# KiCad board rkh.kicad_pcb
date: 2022-12-05
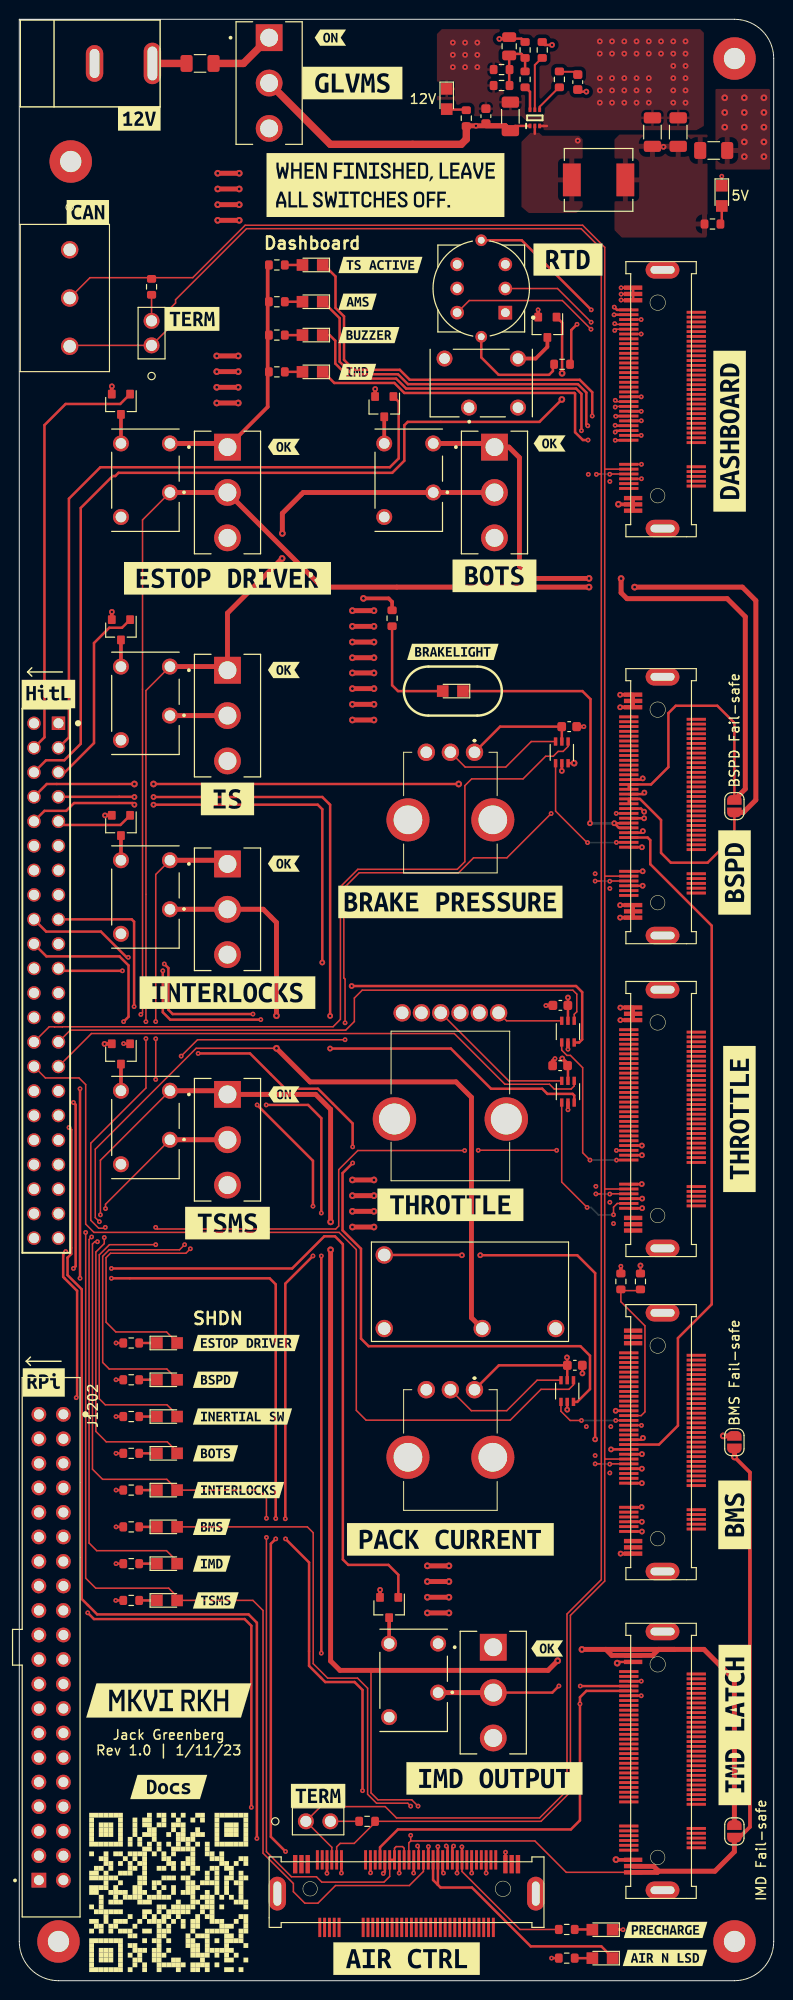
[diagram p0: board, top side]
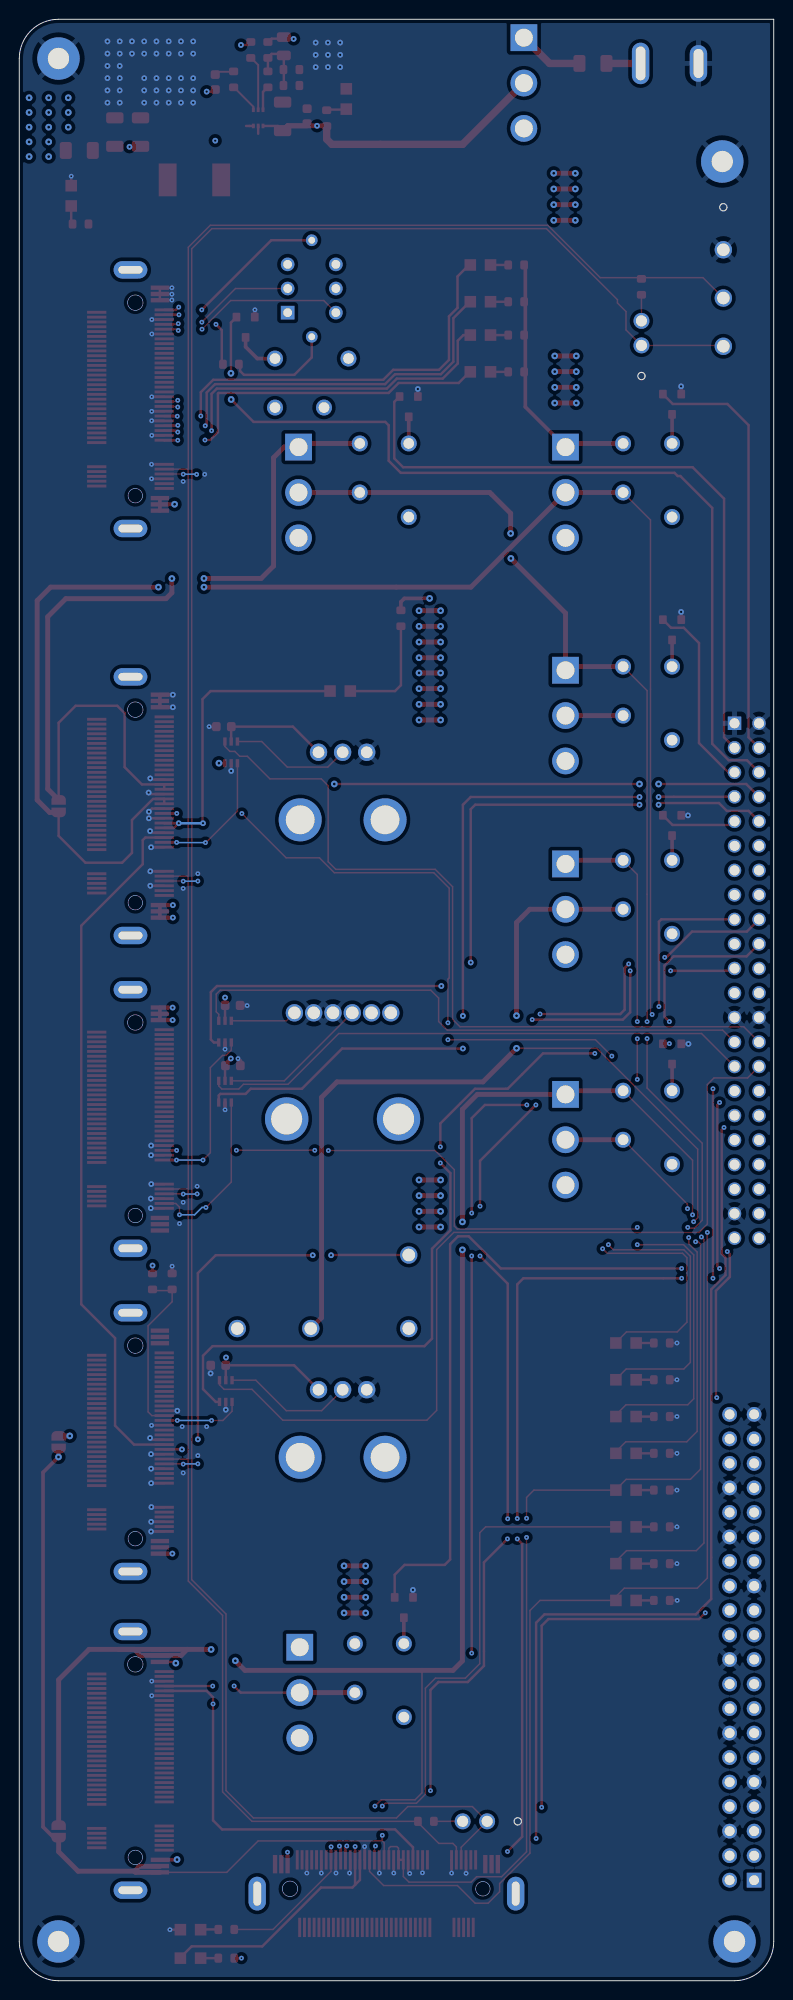
[diagram p1: board, bottom side, seen from below]

Outline 78.23 x 203.2 mm; copper layers: Top, In1.Cu (plane), In2.Cu, Bottom (plane). Coordinates in mm from the lower left corner of the outline.
Outline path: 0,203.2 0,4.06 arc(1.19,1.19) 4.06,0 74.17,0 arc(77.04,1.19) 78.23,4.06 78.23,199.14 arc(77.04,202.01) 74.17,203.2 0,203.2
Stack: Top 0.035mm / dielectric 0.48mm FR4 er 4.5 / In1.Cu 0.035mm / dielectric 0.48mm FR4 er 4.5 / In2.Cu 0.035mm / dielectric 0.48mm FR4 er 4.5 / Bottom 0.035mm

## Placement (name value [footprint] x y rotation side)
C601  1uF  [C_0603]  57.02 129.92 180 top
C701  1uF  [C_0603]  56.08 94.8 180 top
C702  1uF  [C_0603]  56.11 101.04 180 top
C1001  0u1F  [C_0603]  48.39 193.17 90 top
C1002  22uF  [C_1206_3216Metric]  50.93 193.14 90 top
C1003  1uF  [C_0603]  57.91 196.7 270 top
C1004  15pF  [C_0805_2012Metric]  50.8 200.41 90 top
C1005  22uF  [C_1206_3216Metric]  68.33 191.52 90 top
C1006  22uF  [C_1206_3216Metric]  65.66 191.52 90 top
C1101  1uF  [C_0603]  57.61 63.75 180 top
D401  LED_BLUE  [CHIPLED_0805]  15.32 66.07 0 top
D402  LED_BLUE  [CHIPLED_0805]  15.32 62.26 0 top
D403  LED_BLUE  [CHIPLED_0805]  15.32 58.45 0 top
D404  LED_BLUE  [CHIPLED_0805]  15.32 54.64 0 top
D503  LED_BLUE  [CHIPLED_0805]  15.32 50.83 0 top
D504  LED_BLUE  [CHIPLED_0805]  15.32 47.02 0 top
D506  LED_BLUE  [CHIPLED_0805]  15.32 43.21 0 top
D507  LED_BLUE  [CHIPLED_0805]  15.32 39.4 0 top
D601  LED_ORANGE  [CHIPLED_0805]  44.96 133.6 180 top
D801  LED_WHITE  [CHIPLED_0805]  30.42 173.94 180 top
D802  LED_WHITE  [CHIPLED_0805]  30.42 166.67 180 top
D804  LED_WHITE  [CHIPLED_0805]  30.42 177.75 180 top
D805  LED_WHITE  [CHIPLED_0805]  30.42 170.48 180 top
D901  LED_WHITE  [CHIPLED_0805]  60.48 2.34 180 top
D902  LED_WHITE  [CHIPLED_0805]  60.48 5.28 180 top
D1001  LED_BLUE  [CHIPLED_0805]  44.32 194.94 270 top
D1002  LED_BLUE  [CHIPLED_0805]  72.85 184.91 270 top
F201  F_5A_32V  [Fuse_1206]  18.75 198.63 0 top
F1001  F_5A_32V  [Fuse_1206]  72.01 189.61 0 top
H101  MountingHole_Pad  [MountingHole_2.2mm_M2_Pad]  5.33 188.47 0 top
H102  MountingHole_Pad  [MountingHole_2.2mm_M2_Pad]  74.17 199.14 0 top
H104  MountingHole_Pad  [MountingHole_2.2mm_M2_Pad]  74.17 4.06 0 top
H105  MountingHole_Pad  [MountingHole_2.2mm_M2_Pad]  4.06 4.06 0 top
J101  Barrel_Jack  [barrel_jack_PJ-037A]  13.8 198.63 0 top
J201  Screw_Terminal_01x03  [ScrewPin_1x3]  5.22 179.32 270 top
J202  CONN_01x02  [pinheader_1x2]  29.72 16.51 0 top
J203  CONN_01x02  [pinheader_1x2]  13.72 169.42 90 top
J301  SSW-122-01-G-D  [SAMTEC_SSW-122-01-G-D]  4.06 130.27 90 top
J601  -  [Automotive_M.2]  66.2 121.68 90 top
J701  -  [Automotive_M.2]  66.2 89.27 90 top
J801  -  [Automotive_M.2]  66.2 163.85 90 top
J1101  -  [Automotive_M.2]  40.16 9.52 0 top
J1201  -  [Automotive_M.2]  66.2 55.79 90 top
J1202  RPi_Header  [SULLINS_SFH11-PBPC-D20-ST-BK]  3.3 34.54 270 top
J1301  -  [Automotive_M.2]  66.2 22.77 90 top
JP401  SolderJumper_2_Open  [SolderJumper-2_P1.3mm_Open_RoundedPad1.0x1.5mm]  74.15 121.68 90 top
JP501  SolderJumper_2_Open  [SolderJumper-2_P1.3mm_Open_RoundedPad1.0x1.5mm]  74.15 55.79 270 top
JP502  SolderJumper_2_Open  [SolderJumper-2_P1.3mm_Open_RoundedPad1.0x1.5mm]  74.15 15.47 90 top
K202  G6L-1X_DC5  [RELAY_G6L-1P_DC5]  13.08 88.39 90 top
K401  G6L-1X_DC5  [RELAY_G6L-1P_DC5]  13.08 155.45 90 top
K402  G6L-1X_DC5  [RELAY_G6L-1P_DC5]  40.39 155.45 90 top
K403  G6L-1X_DC5  [RELAY_G6L-1P_DC5]  13.08 132.33 90 top
K501  G6L-1X_DC5  [RELAY_G6L-1P_DC5]  13.08 112.27 90 top
K801  G6L-1X_DC5  [RELAY_G6L-1P_DC5]  47.9 165.52 0 top
K1101  G5Q-1A4-DC5  [Relay_SPST_OMRON-G5Q-1A4_OEM]  37.85 67.56 0 top
K1201  G6L-1X_DC5  [RELAY_G6L-1P_DC5]  40.89 31.12 90 top
kibuzzard-63A8E52C  G***  [kibuzzard-63A8E52C]  17.93 172.16 0 top
kibuzzard-63A8E52C#2  G***  [kibuzzard-63A8E52C]  30.99 19.15 0 top
kibuzzard-63A8E507  G***  [kibuzzard-63A8E507]  12.45 192.91 0 top
kibuzzard-63A8E517  G***  [kibuzzard-63A8E517]  7.11 183.21 0 top
kibuzzard-63A8FA7E  G***  [kibuzzard-63A8FA7E]  21.59 145.29 0 top
kibuzzard-63A8FCD9  G***  [kibuzzard-63A8FCD9]  44.96 137.67 0 top
kibuzzard-63A8FFD0  G***  [kibuzzard-63A8FFD0]  44.7 111.76 0 top
kibuzzard-63A76ADE  G***  [kibuzzard-63A76ADE]  74.68 89.27 90 top
kibuzzard-63A76ADE#2  G***  [kibuzzard-63A76ADE]  44.7 80.38 0 top
kibuzzard-63A76B48  G***  [kibuzzard-63A76B48]  44.7 45.72 0 top
kibuzzard-63A76DD2  G***  [kibuzzard-63A76DD2]  20.36 62.26 0 top
kibuzzard-63A76DDE  G***  [kibuzzard-63A76DDE]  23.14 58.45 0 top
kibuzzard-63A76DE3  G***  [kibuzzard-63A76DE3]  20.35 54.64 0 top
kibuzzard-63A76DF6  G***  [kibuzzard-63A76DF6]  22.73 50.83 0 top
kibuzzard-63A76E2E  G***  [kibuzzard-63A76E2E]  19.96 47.02 0 top
kibuzzard-63A76E4B  G***  [kibuzzard-63A76E4B]  20.38 39.4 0 top
kibuzzard-63A76E44  G***  [kibuzzard-63A76E44]  19.96 43.21 0 top
kibuzzard-63A760DD  G***  [kibuzzard-63A760DD]  34.54 196.6 0 top
kibuzzard-63A765AA  G***  [kibuzzard-63A765AA]  23.54 66.07 0 top
kibuzzard-63A765EA  G***  [kibuzzard-63A765EA]  36.26 170.48 0 top
kibuzzard-63A766BF  G***  [kibuzzard-63A766BF]  54.99 159.26 0 top
kibuzzard-63A766BF#2  G***  [kibuzzard-63A766BF]  27.43 115.72 0 top
kibuzzard-63A766BF#3  G***  [kibuzzard-63A766BF]  54.74 34.42 0 top
kibuzzard-63A766BF#4  G***  [kibuzzard-63A766BF]  27.43 158.9 0 top
kibuzzard-63A766BF#5  G***  [kibuzzard-63A766BF]  27.43 135.79 0 top
kibuzzard-63A770B9  G***  [kibuzzard-63A770B9]  37.45 177.75 0 top
kibuzzard-63A770D3  G***  [kibuzzard-63A770D3]  35.08 173.94 0 top
kibuzzard-63A772B0  G***  [kibuzzard-63A772B0]  21.59 122.43 0 top
kibuzzard-63A773EA  G***  [kibuzzard-63A773EA]  73.66 160.53 90 top
kibuzzard-63A774A3  G***  [kibuzzard-63A774A3]  40.16 2.29 0 top
kibuzzard-63A775AA  G***  [kibuzzard-63A775AA]  67.02 5.26 0 top
kibuzzard-63A775CB  G***  [kibuzzard-63A775CB]  66.95 2.36 0 top
kibuzzard-63A781BB  G***  [kibuzzard-63A781BB]  74.17 48.26 90 top
kibuzzard-63A7606C  G***  [kibuzzard-63A7606C]  32.26 201.3 0 top
kibuzzard-63A7606C#2  G***  [kibuzzard-63A7606C]  27.43 91.82 0 top
kibuzzard-63A7727D  G***  [kibuzzard-63A7727D]  21.59 102.36 0 top
kibuzzard-63A7729E  G***  [kibuzzard-63A7729E]  49.28 145.54 0 top
kibuzzard-63A76058  G***  [kibuzzard-63A76058]  21.59 78.49 0 top
kibuzzard-63A76624  G***  [kibuzzard-63A76624]  35.05 166.67 0 top
kibuzzard-63A77227  G***  [kibuzzard-63A77227]  49.28 20.96 0 top
kibuzzard-63A77408  G***  [kibuzzard-63A77408]  74.17 114.81 90 top
kibuzzard-63A77485  G***  [kibuzzard-63A77485]  74.19 26.49 90 top
kibuzzard-63B35C4A  G***  [kibuzzard-63B35C4A]  2.54 61.98 0 top
kibuzzard-63B97C20  G***  [kibuzzard-63B97C20]  56.9 178.31 0 top
kibuzzard-63BD341A  G***  [kibuzzard-63BD341A]  3.02 133.3 0 top
kibuzzard-63BE72D4  G***  [kibuzzard-63BE72D4]  15.49 29.03 0 top
kibuzzard-63BE744E  G***  [kibuzzard-63BE744E]  37.97 186.03 0 top
kibuzzard-63BE7323  G***  [kibuzzard-63BE7323]  15.49 20.07 0 top
L1001  L_2.2uH  [IND_SPM6530T-2R2M]  60.07 186.56 0 top
Q202  SSM3K333R  [SOT-23F]  10.54 96.01 270 top
Q401  SSM3K333R  [SOT-23F]  10.54 163.32 270 top
Q402  SSM3K333R  [SOT-23F]  37.85 163.07 270 top
Q403  SSM3K333R  [SOT-23F]  10.54 139.95 270 top
Q501  SSM3K333R  [SOT-23F]  10.54 119.68 270 top
Q801  SSM3K333R  [SOT-23F]  54.76 171.3 270 top
Q1201  SSM3K333R  [SOT-23F]  38.35 38.66 270 top
QR*****  https://coda.io/d/_dbuFnC2EA_e/Roadkill-Harness_su7vN  [__coda.io_d__dbuFnC2EA_e_Roadkill-Harness_su7vN]  15.49 9.14 0 top
R201  120R  [R_0603]  36.07 16.51 0 top
R202  120R  [R_0603]  13.72 175.48 90 top
R401  1KR  [R_0603]  11.61 66.07 180 top
R402  1KR  [R_0603]  11.61 62.26 180 top
R403  1KR  [R_0603]  11.61 58.45 180 top
R404  1KR  [R_0603]  11.61 54.64 180 top
R503  1KR  [R_0603]  11.61 50.83 180 top
R504  1KR  [R_0603]  11.61 47.02 180 top
R506  1KR  [R_0603]  11.61 43.21 180 top
R507  1KR  [R_0603]  11.61 39.4 180 top
R601  1KR  [R_0603]  38.66 141.15 270 top
R801  1KR  [R_0603]  26.71 173.94 0 top
R802  1KR  [R_0603]  26.71 166.67 0 top
R803  1KR  [R_0603]  26.71 177.75 0 top
R804  1KR  [R_0603]  26.71 170.48 0 top
R805  100R  [R_0603]  56.29 167.46 0 top
R902  10KR  [R_0603]  56.77 2.34 0 top
R903  1KR  [R_0603]  56.77 5.31 0 top
R1001  100KR  [R_0603]  54.23 200.03 270 top
R1002  10R  [R_0603]  56.01 196.98 90 top
R1003  75KR  [R_0603]  52.45 196.98 90 top
R1004  10KR  [R_0603]  50.01 197.99 180 top
R1005  33K2R  [R_0603]  50.01 196.34 180 top
R1006  40K2R  [R_0603]  52.45 200.03 90 top
R1007  1KR  [R_0603]  46.35 192.96 90 top
R1008  1KR  [R_0603]  71.88 181.99 0 top
R1101  10KR  [R_0603]  64.41 72.44 270 top
R1102  10KR  [R_0603]  62.38 72.44 90 top
REF**  -  [RKH TITLE]  299.01 -14.17 0 top
RV601  PTV09A-4020F-B103  [PTV09A4020FB103]  44.7 121.67 180 top
RV701  PTV112-4420A-A503-ND  [PTV1124420AA503]  47.7 100.27 180 top
RV1201  PTV09A-4020F-B103  [PTV09A4020FB103]  44.7 55.63 180 top
SW201  100SP1T1B4M2QE  [SW_100SP1T1B4M2QE]  25.91 196.6 0 top
SW202  100SP1T1B4M2QE  [SW_100SP1T1B4M2QE]  21.59 87.12 0 top
SW405  100SP1T1B4M2QE  [SW_100SP1T1B4M2QE]  21.59 154.18 0 top
SW406  100SP1T1B4M2QE  [SW_100SP1T1B4M2QE]  49.28 154.18 0 top
SW407  100SP1T1B4M2QE  [SW_100SP1T1B4M2QE]  21.59 131.06 0 top
SW501  100SP1T1B4M2QE  [SW_100SP1T1B4M2QE]  21.59 111 0 top
SW802  LP4OA1PBBTG  [SW_LP4OA1PBBTG]  47.9 175.31 180 top
SW1201  100SP1T1B4M2QE  [SW_100SP1T1B4M2QE]  49.15 29.85 0 top
U601  TMUX1247  [TMUX1247DCKR]  56.26 127.25 270 top
U701  TMUX1247  [TMUX1247DCKR]  56.9 92.1 270 top
U702  TMUX1247  [TMUX1247DCKR]  56.9 98.32 270 top
U1001  MP1477  [SOTFL50P160X60-6N]  53.46 192.99 90 top
U1101  TMUX1247  [TMUX1247DCKR]  56.82 61.09 270 top

## Library data of the parts
C601 C701 C702 C1003 C1101 = -: DKPN: 1276-1184-2-ND; MFN: Samsung Electro-Mechanics; MPN: CL10B105KA8NNNC; NewDesigns: YES; Package: 0603; Stocked: Reel; Style: SMD
C1001 = -: DKPN: 1276-1935-2-ND; MFN: Samsung Electro-Mechanics; MPN: CL10B104KB8NNWC; NewDesigns: YES; Package: 0603; Stocked: Reel; Style: SMD
C1002 C1005 C1006 = -: DKPN: 1276-3047-6-ND; MFN: Samsung Electro-Mechanics; MPN: CL31A226KAHNNNE; NewDesigns: YES; Package: 1206; Stocked: Digi-Reel; Style: SMD
C1004 = -: DKPN: 1292-1487-6-ND; MFN: Walsin Technology; MPN: 0603N150J500CT; NewDesigns: YES; Package: 0603; Stocked: Digi-Reel; Style: SMD
D401-D404 D503 D504 D506 D507 D1001 D1002 = -: DKPN: 160-1645-6-ND; MFN: Lite-On; MPN: LTST-C171TBKT; NewDesigns: Yes; Package: 0805; Stocked: Digi-Reel; Style: SMD; Field11: https://dammedia.osram.info/media/resource/hires/osram-dam-5178064/LO%20R976_EN.pdf
D601 = -: DKPN: 160-1413-6-ND; MFN: Lite-On; MPN: LTST-C170KFKT; NewDesigns: Yes; Package: 0805; Stocked: Digi-Reel; Style: SMD; Field11: https://dammedia.osram.info/media/resource/hires/osram-dam-5178064/LO%20R976_EN.pdf
D801 D802 D804 D805 D901 D902 = -: DKPN: 3147-B1701TW--20P000314U1930DKR-ND; MFN: Harvatek; MPN: B1701TW--20P000314U1930; NewDesigns: Yes; Package: 0805; Stocked: Digi-Reel; Style: SMD; Field11: https://dammedia.osram.info/media/resource/hires/osram-dam-5178064/LO%20R976_EN.pdf
F201 F1001 = -: DKPN: 2315-FHC32502ADTPDKR-ND; MFN: Kamaya Inc.; MPN: FHC32502ADTP; NewDesigns: YES; Package: 1206; Stocked: Tape; Style: SMD
J101 = -: DKPN: CP-037A-ND; MFN: CUI Devices; MPN: PJ-037A; NewDesigns: YES; Package: Custom; Stocked: Bag; Style: THT
J201 = -: DKPN: 277-1578-ND; MFN: Pheonix Contact; MPN: 1935174; NewDesigns: 1935174; Package: Custom; Stocked: Bulk; Style: THT
J202 J203 = -: DKPN: 2057-PH1-02-UA-ND; MFN: Adam Tech; MPN: PH1-02-UA; MatesWith: S9337-ND; NewDesigns: YES; Package: 2.54mm pin header; Stocked: Bulk; Style: THT; Field12: *; Field13: Copyright 2021 Accelerated Designs. All rights reserved.; Field14: *
J301 = -: DKPN: SAM1208-22-ND; MFN: Samtec; NewDesigns: YES; Package: Custom; Stocked: Bulk; Style: THT
J601 J701 J801 J1101 J1201 J1301 = -: DKPN: MOUSER:945-CNU027S0672001VE; MFN: Yamaichi Electronics; MPN: CNU027S-067-2001-VE; NewDesigns: YES; Package: Custom; Stocked: Tape; Style: SMD
J1202 = -: DKPN: S9200-ND; MFN: Sullins; MPN: SFH11-PBPC-D20-ST-BK; NewDesigns: YES; Package: Custom; Stocked: Bulk; Style: THT
K202 K401-K403 K501 K801 K1201 = -: DKPN: Z1228-ND; MFN: Omron Electronics; MPN: G6L-1P DC5; NewDesigns: YES; Package: Custom; Stocked: Tube; Style: THT
K1101 = -: DKPN: Z3632-ND; MFN: Omron; MPN: G5Q-1A4 DC5; NewDesigns: YES; Package: G5Q (Custom); Stocked: Tray; Style: THT
L1001 = -: DKPN: 445-4118-6-ND; MFN: TDK Corporation; MPN: SPM6530T-2R2M; NewDesigns: YES; Package: Custom; Stocked: Digi-Reel; Style: SMD
Q202 Q401-Q403 Q501 Q801 Q1201 = -: DKPN: SSM3K333RLFDKR-ND; MFN: Toshiba; MPN: SSM3K333R,LF; NewDesigns: YES; Package: SOT-23; Stocked: Digi-Reel; Style: SMD
R201 R202 = -: DKPN: 13-RC0603FR-13120RLDKR-ND; MFN: Yageo; MPN: RC0603FR-13120RL; NewDesigns: YES; Package: 0603; Stocked: Digi-Reel; Style: SMD
R401-R404 R503 R504 R506 R507 R601 R801-R804 R903 R1007 R1008 = -: DKPN: RMCF0603FT1K00TR-ND; MFN: Stackpole Electronics; MPN: RMCF0603FT1K00; NewDesigns: YES; Package: 0603; Stocked: Reel; Style: SMD
R805 = -: DKPN: RMCF0603FT100RTR-ND; MFN: Stackpole Electronics; MPN: RMCF0603FT100R; NewDesigns: YES; Package: 0603; Stocked: Reel; Style: SMD
R902 R1004 R1101 R1102 = -: DKPN: RMCF0603FT10K0TR-ND; MFN: Stackpole Electronics; MPN: RMCF0603FT10K0; NewDesigns: YES; Package: 0603; Stocked: Reel; Style: SMD
R1001 = -: DKPN: RMCF0603FT100KTR-ND; MFN: Stackpole Electronics; MPN: RMCF0603FT100K; NewDesigns: YES; Package: 0603; Stocked: Reel; Style: SMD
R1002 = -: DKPN: 2019-SG73P1JTTD100JDKR-ND; MFN: KOA Speer Electronics, Inc.; MPN: SG73P1JTTD100J; NewDesigns: YES; Package: 0603; Stocked: Digi-Reel; Style: SMD
R1003 = -: DKPN: RMCF0603FT75K0DKR-ND; MFN: Stackpole Electronics; MPN: RMCF0603FT75K0; NewDesigns: YES; Package: 0603; Stocked: Digi-Reel; Style: SMD
R1005 = -: DKPN: RMCF0603FT33K2DKR-ND; MFN: Stackpole Electronics; MPN: RMCF0603FT33K2; NewDesigns: YES; Package: 0603; Stocked: Digi-Reel; Style: SMD
R1006 = -: DKPN: RMCF0603FT40K2DKR-ND; MFN: Stackpole Electronics; MPN: RMCF0603FT40K2; NewDesigns: YES; Package: 0603; Stocked: Digi-Reel; Style: SMD
RV601 RV1201 = -: DKPN: PTV09A-4020F-B103-ND; MFN: Bourns; NewDesigns: YES; Package: Custom; Stocked: Tray; Style: THT
RV701 = -: MFN: Bourns; NewDesigns: YES; Package: Custom; Stocked: Tray; Style: THT
SW201 SW202 SW405-SW407 SW501 SW1201 = -: DKPN: EG2355-ND; MFN: E-Switch; NewDesigns: YES; Package: Custom; Stocked: Bulk; Style: THT
SW802 = -: DKPN: EG4649-ND; MFN: E-SWITCH; NewDesigns: YES; Package: Custom; Stocked: Bulk; Style: THT
U601 U701 U702 U1101 = -: DKPN: 296-TMUX1247DCKRDKR-ND; MFN: Texas Instruments; MPN: TMUX1247DCKR; NewDesigns: YES; Package: SC70; Stocked: Digi-Reel; Style: THT
U1001 = -: DKPN: 1589-1523-6-ND; MFN: Monolithic Power Systems; MPN: MP1477GTF-Z; Package: SOT 563; Stocked: Digi-Reel; Style: SMD

## Footprints (pads in the part's own frame, mm; a bottom-side part is the same pattern mirrored in y, then rotated)
Automotive_M.2
  rect 0.3x2 smd: 4(-9.25,3) 5(-8.75,3) 6(-8.25,3) 7(-7.75,3) 8(-7.25,3) 9(-6.75,3) 10(-4.25,3) 11(-3.75,3) 12(-3.25,3) 13(-2.75,3) 14(-2.25,3) 15(-1.75,3) 16(-1.25,3) 17(-0.75,3) 18(-0.25,3) 19(0.25,3) 20(0.75,3) 21(1.25,3) 22(1.75,3) 23(2.25,3) 24(2.75,3) 25(3.25,3) 26(3.75,3) 27(4.25,3) 28(4.75,3) 29(5.25,3) 30(5.75,3) 31(6.25,3) 32(6.75,3) 33(7.25,3) 34(7.75,3) 35(8.25,3) 36(8.75,3) 37(9.25,3) 41(-9,-4) 42(-8.5,-4) 43(-8,-4) 44(-7.5,-4) 45(-7,-4) 46(-4.5,-4) 47(-4,-4) 48(-3.5,-4) 49(-3,-4) 50(-2.5,-4) 51(-2,-4) 52(-1.5,-4) 53(-1,-4) 54(-0.5,-4) 55(0,-4) 56(0.5,-4) 57(1,-4) 58(1.5,-4) 59(2,-4) 60(2.5,-4) 61(3,-4) 62(3.5,-4) 63(4,-4) 64(4.5,-4) 65(5,-4) 66(5.5,-4) 67(6,-4) 68(6.5,-4) 69(7,-4) 70(7.5,-4) 71(8,-4) 72(8.5,-4) 73(9,-4)
  rrect 1.8x3.5 hole 0.8x2.5: 75(-13.4,-0.5) 76(13.4,-0.5)
  rect 0.45x1.9 smd: P1(-11.55,2.55) P2(-10.9,2.55) P3(-10.25,2.55) P38(10.25,2.55) P39(10.9,2.55) P40(11.55,2.55)
barrel_jack_PJ-037A
  oval 1.8x4.3 hole 1x3.5: 1(0,0)
  oval 1.8x3.8 hole 1x3: 2(-6,0)
C_0603
  rrect 0.9x0.95 smd: 1(-0.775,0) 2(0.775,0)
C_0805_2012Metric
  rrect 1x1.45 smd: 1(-0.95,0) 2(0.95,0)
C_1206_3216Metric
  rrect 1.15x1.8 smd: 1(-1.475,0) 2(1.475,0)
CHIPLED_0805
  rect 1.2x1.2 smd: 1(-1.05,0) 2(1.05,0)
Fuse_1206
  rrect 1.25x1.75 smd: 1(-1.4,0) 2(1.4,0)
IND_SPM6530T-2R2M
  rect 1.85x3.4 smd: 1(-2.775,0) 2(2.775,0)
MountingHole_2.2mm_M2_Pad
  round 4.4 hole 2.2: 1(0,0)
pinheader_1x2
  round 1.651 hole 1.143: 1(0,0) 2(2.54,0)
PTV09A4020FB103
  round 1.8 hole 1.2: 1(-2.5,-5.6) 2(0,-5.6) 3(2.5,-5.6)
  round 4.46 hole 2.973: 4(-4.4,1.4) 5(4.4,1.4)
PTV1124420AA503
  round 1.8 hole 1.3: 1(8,0) 2(-2,0) 3(0,0) 4(6,0) 5(4,0) 6(2,0)
  round 4.5 hole 3.202: MH1(-2.8,11) MH2(8.8,11)
R_0603
  rrect 0.8x0.95 smd: 1(-0.825,0) 2(0.825,0)
RELAY_G6L-1P_DC5
  round 1.65 hole 1.1: 2(-1.27,-2.54) 4(3.81,-2.54) 5(3.81,2.54) 8(-3.81,2.54)
Relay_SPST_OMRON-G5Q-1A4_OEM
  round 1.8 hole 1.3: 1(0,0) 2(10.16,0) 3(17.78,0) 5(0,7.62)
SAMTEC_SSW-122-01-G-D
  rect 1.39x1.39 hole 1.04: 01(0,0)
  round 1.39 hole 1.04: 02(0,2.54) 03(-2.54,0) 04(-2.54,2.54) 05(-5.08,0) 06(-5.08,2.54) 07(-7.62,0) 08(-7.62,2.54) 09(-10.16,0) 10(-10.16,2.54) 11(-12.7,0) 12(-12.7,2.54) 13(-15.24,0) 14(-15.24,2.54) 15(-17.78,0) 16(-17.78,2.54) 17(-20.32,0) 18(-20.32,2.54) 19(-22.86,0) 20(-22.86,2.54) 21(-25.4,0) 22(-25.4,2.54) 23(-27.94,0) 24(-27.94,2.54) 25(-30.48,0) 26(-30.48,2.54) 27(-33.02,0) 28(-33.02,2.54) 29(-35.56,0) 30(-35.56,2.54) 31(-38.1,0) 32(-38.1,2.54) 33(-40.64,0) 34(-40.64,2.54) 35(-43.18,0) 36(-43.18,2.54) 37(-45.72,0) 38(-45.72,2.54) 39(-48.26,0) 40(-48.26,2.54) 41(-50.8,0) 42(-50.8,2.54) 43(-53.34,0) 44(-53.34,2.54)
ScrewPin_1x3
  round 1.803 hole 1.295: 1(0,0) 2(5,0) 3(10,0)
SolderJumper-2_P1.3mm_Open_RoundedPad1.0x1.5mm
  custom 1x1.5 smd: 1(-0.65,0) 2(0.65,0)
SOT-23F
  rrect 0.9x0.8 smd: 1(-1.05,0.95) 2(-1.05,-0.95) 3(1.05,0)
SOTFL50P160X60-6N
  rect 0.475x0.3 smd: 1(-0.838,0.5) 2(-0.838,0) 3(-0.838,-0.5) 4(0.838,-0.5) 5(0.838,0) 6(0.838,0.5)
SULLINS_SFH11-PBPC-D20-ST-BK
  rect 1.53x1.53 hole 1.02: 1(24.13,-1.27)
  round 1.53 hole 1.02: 2(24.13,1.27) 3(21.59,-1.27) 4(21.59,1.27) 5(19.05,-1.27) 6(19.05,1.27) 7(16.51,-1.27) 8(16.51,1.27) 9(13.97,-1.27) 10(13.97,1.27) 11(11.43,-1.27) 12(11.43,1.27) 13(8.89,-1.27) 14(8.89,1.27) 15(6.35,-1.27) 16(6.35,1.27) 17(3.81,-1.27) 18(3.81,1.27) 19(1.27,-1.27) 20(1.27,1.27) 21(-1.27,-1.27) 22(-1.27,1.27) 23(-3.81,-1.27) 24(-3.81,1.27) 25(-6.35,-1.27) 26(-6.35,1.27) 27(-8.89,-1.27) 28(-8.89,1.27) 29(-11.43,-1.27) 30(-11.43,1.27) 31(-13.97,-1.27) 32(-13.97,1.27) 33(-16.51,-1.27) 34(-16.51,1.27) 35(-19.05,-1.27) 36(-19.05,1.27) 37(-21.59,-1.27) 38(-21.59,1.27) 39(-24.13,-1.27) 40(-24.13,1.27)
SW_100SP1T1B4M2QE
  rect 2.775x2.775 hole 1.85: 1(0,4.7)
  round 2.775 hole 1.85: 2(0,0) 3(0,-4.7)
SW_LP4OA1PBBTG
  rect 1.408x1.408 hole 0.9: 1(-2.5,2.5)
  round 1.408 hole 0.9: 2(-2.5,0) 3(-2.5,-2.5) 4(2.5,2.5) 5(2.5,0) 6(2.5,-2.5)
  round 1.208 hole 0.7: L1(0,5) L2(0,-5)
TMUX1247DCKR
  rect 0.851x0.356 smd: 1(-1.124,0.65) 2(-1.124,0) 3(-1.124,-0.65) 4(1.124,-0.65) 5(1.124,0) 6(1.124,0.65)

## Nets
+5V: C601.2 C701.1 C702.1 C1101.2 F1001.2 J601.P1 J601.P2 J601.P3 J701.P38 J701.P39 J701.P40 J801.P1 J801.P2 J801.P3 J1101.P38 J1201.P1 J1202.2 J1202.4 J1301.P38 K202.8 K401.8 K402.8 K403.8 K501.8 K801.8 K1201.8 R902.1 R1101.1 RV601.1 RV701.1 RV701.4 RV1201.1 U601.2 U701.2 U702.2 U1101.2
+12V: C1001.1 C1002.1 J1301.P3 K401.4 K1101.1 K1201.4 R601.1 R801.1 R802.1 R803.1 R804.1 R1001.1 R1007.1 SW201.2 SW405.1 SW1201.1 U1001.1
GND: C601.1 C701.2 C702.2 C1001.2 C1002.2 C1005.2 C1006.2 C1101.1 D902.1 D1001.1 D1002.1 H101.1 H102.1 H104.1 H105.1 J101.2 J201.1 J301.01 J301.02 J301.25 J301.26 J301.41 J601.6 J601.9 J601.10 J601.13 J601.16 J601.18 J601.21 J601.24 J601.P38 J601.P39 J601.P40 J701.4 J701.6 J701.9 J701.11 J701.13 J801.6 J801.9 J801.11 J801.14 J801.16 J801.19 J801.32 J801.35 J801.P38 J801.P39 J801.P40 J1101.6 J1101.9 J1101.11 J1101.14 J1101.17 J1101.20 J1101.23 J1101.26 J1101.29 J1101.32 J1101.35 J1201.4 J1201.6 J1201.9 J1201.10 J1201.13 J1201.16 J1201.19 J1201.22 J1201.25 J1202.6 J1202.9 J1202.14 J1202.20 J1202.25 J1202.30 J1202.34 J1202.39 J1301.32 J1301.35 Q202.2 Q401.2 Q402.2 Q403.2 Q501.2 Q801.2 Q1201.2 R401.2 R402.2 R403.2 R404.2 R503.2 R504.2 R506.2 R507.2 R1004.2 R1005.2 R1102.2 RV601.3 RV701.3 RV701.6 RV1201.3 U601.5 U701.5 U702.5 U1001.3 U1101.5
/Buck Converter/BUCK_EN: R1001.2 U1001.5
/Hardware in the Loop/HITL_ADC1: J301.35
/Hardware in the Loop/HITL_ADC2: J301.36
/Hardware in the Loop/HITL_ADC3: J301.37
/Hardware in the Loop/HITL_ADC4: J301.38
/Hardware in the Loop/HITL_ADC5: J301.39
/Hardware in the Loop/HITL_ADC6: J301.40
/Hardware in the Loop/HITL_DAC1: J301.27 U702.1
/Hardware in the Loop/HITL_DAC2: J301.28 U601.1
/Hardware in the Loop/HITL_DAC3: J301.29 U701.1
/Hardware in the Loop/HITL_DAC4: J301.30 U1101.1
/Hardware in the Loop/HITL_DAC5: J301.31
/Hardware in the Loop/HITL_DAC6: J301.32
/Hardware in the Loop/HITL_DAC7: J301.33
/Hardware in the Loop/HITL_DAC8: J301.34
/Hardware in the Loop/HITL_GPIO4: J301.12
/Hardware in the Loop/HITL_GPIO5: J301.14
/Hardware in the Loop/HITL_GPIO6: J301.16
/Hardware in the Loop/HITL_GPIO7: J301.18 J1101.28
/Hardware in the Loop/HITL_GPIO9: J301.04 Q401.1
/Hardware in the Loop/HITL_GPIO10: J301.06 Q801.1
/Hardware in the Loop/HITL_GPIO11: J301.08 U601.6
/Hardware in the Loop/HITL_GPIO13: J301.03 Q402.1
/Hardware in the Loop/HITL_GPIO14: J301.05 Q403.1
/Hardware in the Loop/HITL_GPIO15: J301.07 U701.6
/Hardware in the Loop/HITL_GPIO16: J301.10 U702.6
/Hardware in the Loop/HITL_GPIO17: J301.09 Q501.1
/Hardware in the Loop/HITL_GPIO22: D901.1 J301.23 J1101.24 J1101.25
/Hardware in the Loop/HITL_GPIO23: J301.24 Q1201.1
/Hardware in the Loop/HITL_GPIO24: J301.21 J1101.13 J1301.33
/Hardware in the Loop/HITL_GPIO25: J301.22 J1101.30 R903.1
/Hardware in the Loop/HITL_GPIO26: J301.19 J1101.27
/Hardware in the Loop/HITL_GPIO27: J301.20 Q202.1
/Hardware in the Loop/HITL_GPIO28: J301.17 U1101.6
/Hardware in the Loop/HITL_GPIO29: J301.15
/Hardware in the Loop/HITL_GPIO30: J301.13